# Altium PCB kunkun.PcbDoc (part 7 of 8)
Units mil, origin at the board's own origin, x right, y up, seen from the top; angles counter-clockwise.
Board outline 11417.32 x 6911.54 mil, 2 copper layers (Top Layer, Bottom Layer), stack 28 mil thick; 1172 components, 690 nets, 3402 pads, 1297 vias.
Unrouted connection lines stored in the file: 210.
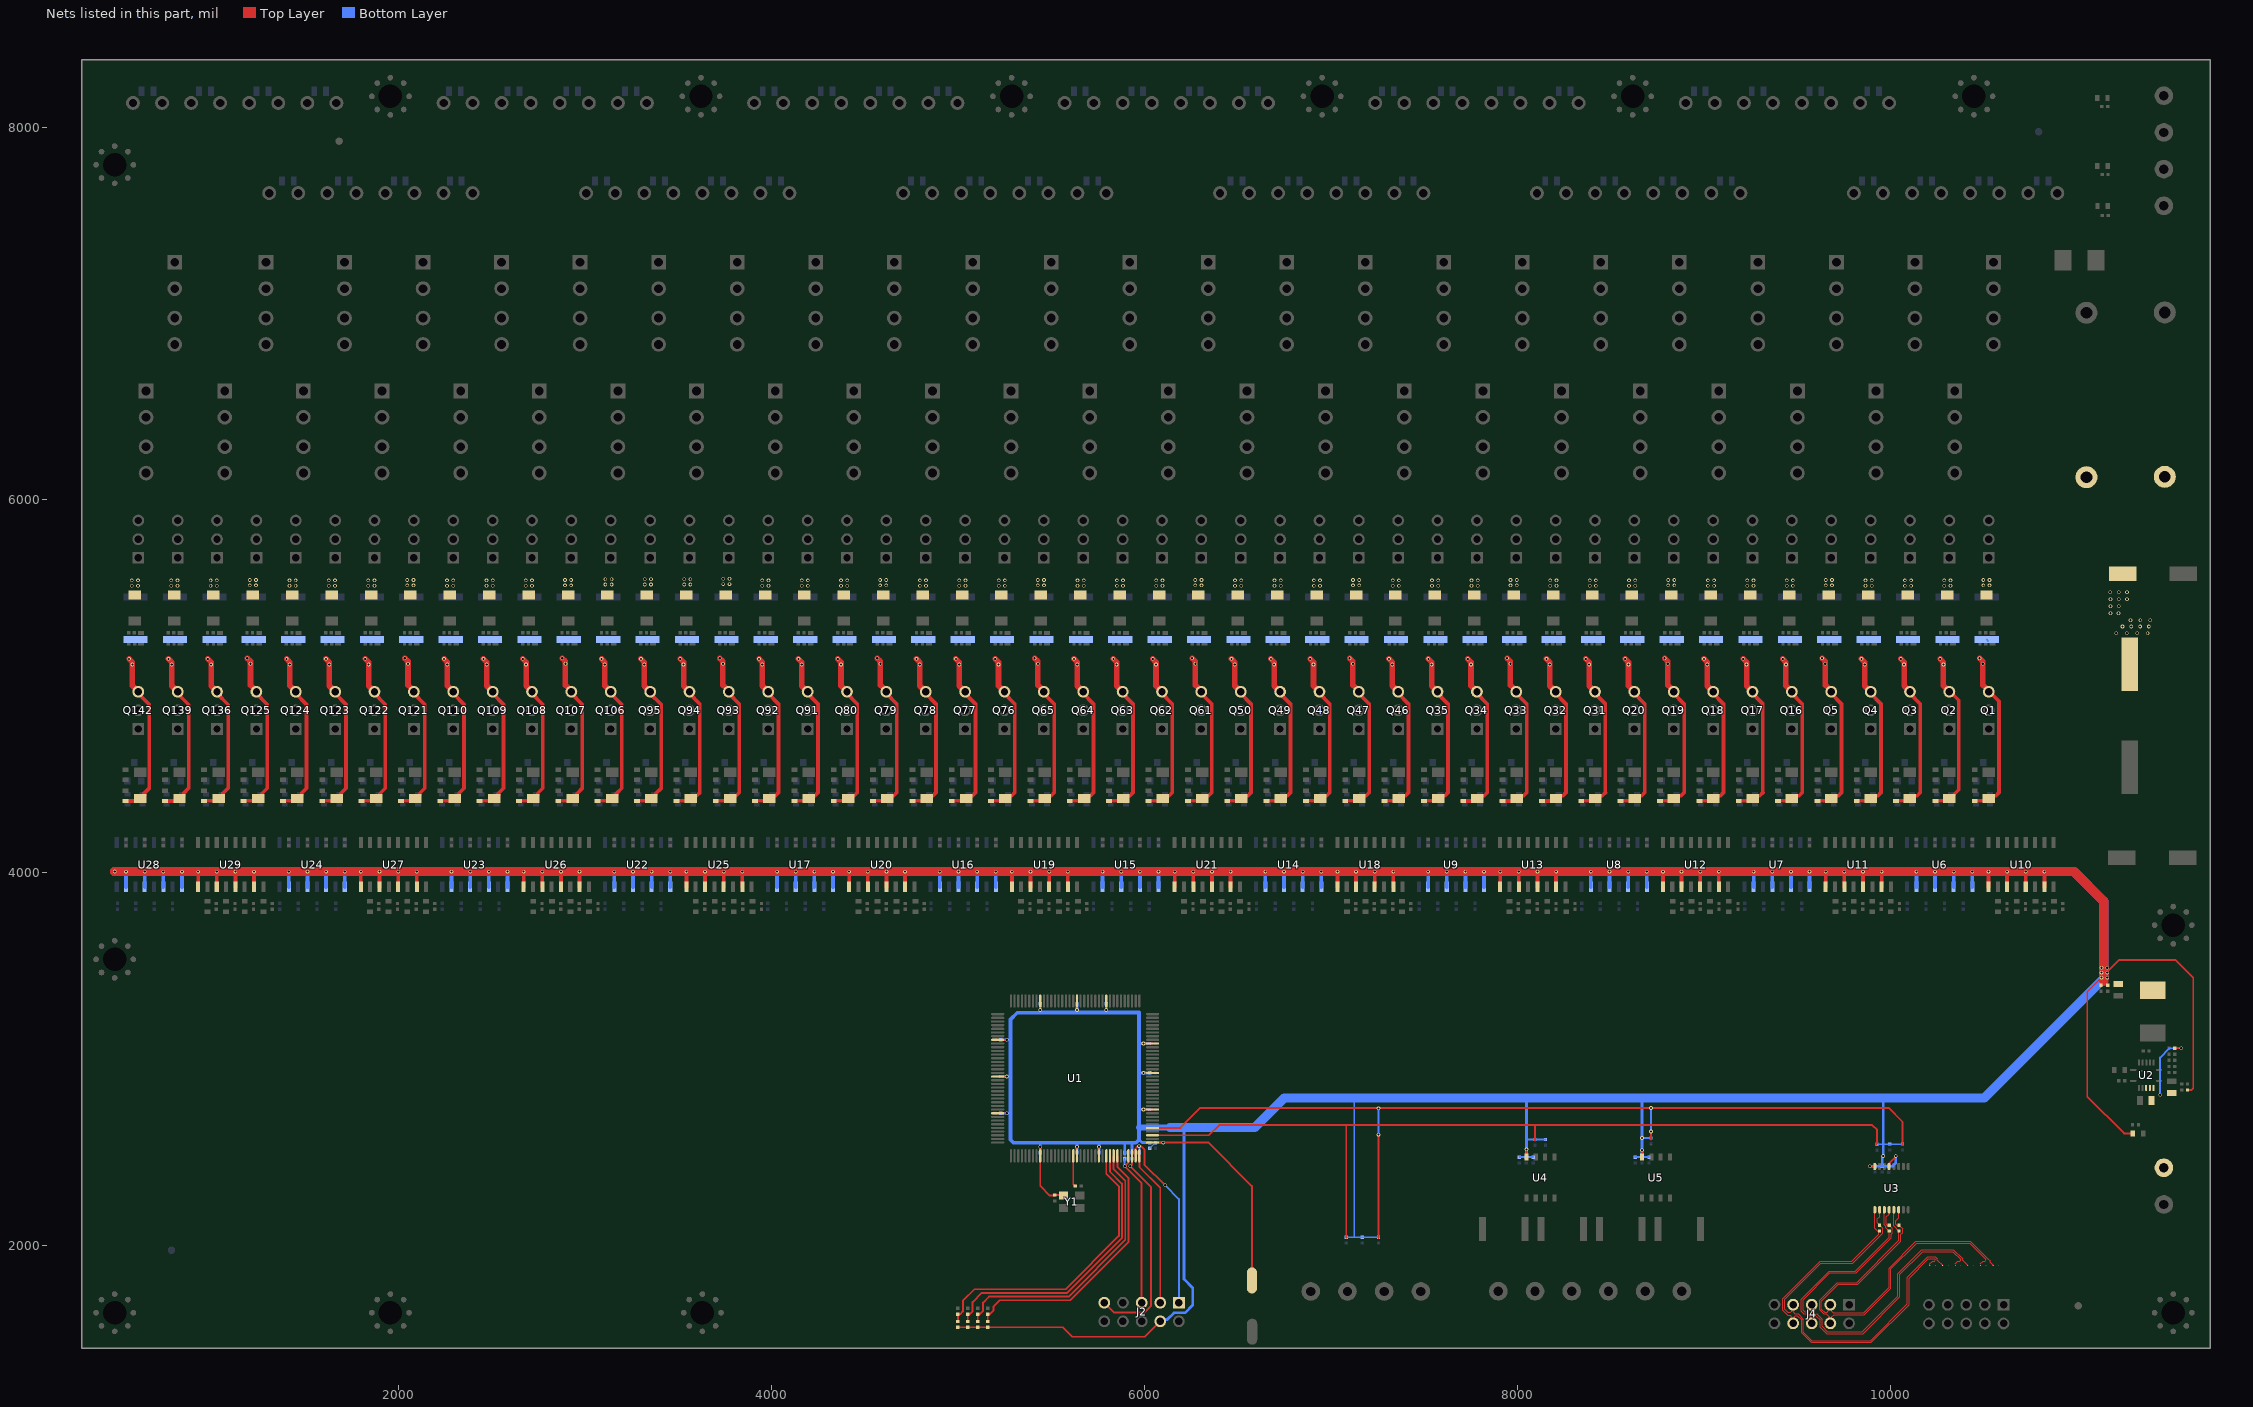
[diagram p7: the nets of this part, all layers, seen from the top]

## Via types
v1: diameter 19.68, hole 11.81, Top Layer to Bottom Layer, tented both sides, 1297 vias

## Nets (pads, with @x,y where several pads share a name; then routed paths per layer and width w, separated by ;. In a path a pad name is that pad's centre, name@x,y a point inside that pad or via, vN(x,y) a via of type N, cw(c..) or ccw(c..) an arc to the next point about the centre after c; other vN are vias at no path point) (continued)
PHIGH: C129.1 D53.1 D54.1 D55.1 D56.1 D57.1 D63.1 D64.1 D65.1 D66.1 D67.1 D73.1 D74.1 D75.1 D76.1 D77.1 D83.1 D84.1 D85.1 D86.1 D87.1 D93.1 D94.1 D95.1 D96.1 D97.1 D103.1 D104.1 D105.1 D106.1 D107.1 D113.1 D114.1 D115.1 D116.1 D117.1 D123.1 D124.1 D125.1 D126.1 D127.1 D133.1 D134.1 D135.1 D136.1 D137.1 D143.1 D145.1 D147.1 F1.2 Q1.3 Q2.3 Q3.3 Q4.3 Q5.3 Q16.3 Q17.3 Q18.3 Q19.3 Q20.3 Q31.3 Q32.3 Q33.3 Q34.3 Q35.3 Q46.3 Q47.3 Q48.3 Q49.3 Q50.3 Q61.3 Q62.3 Q63.3 Q64.3 Q65.3 Q76.3 Q77.3 Q78.3 Q79.3 Q80.3 Q91.3 Q92.3 Q93.3 Q94.3 Q95.3 Q106.3 Q107.3 Q108.3 Q109.3 Q110.3 Q121.3 Q122.3 Q123.3 Q124.3 Q125.3 Q136.3 Q139.3 Q142.3 R136.2 R137.2 R138.2 R139.2 R140.2 R141.2 R142.2 R143.2 R144.2 R145.2 R171.2 R172.2 R173.2 R174.2 R175.2 R176.2 R177.2 R178.2 R179.2 R180.2 R206.2 R207.2 R208.2 R209.2 R210.2 R211.2 R212.2 R213.2 R214.2 R215.2 R241.2 R242.2 R243.2 R244.2 R245.2 R246.2 R247.2 R248.2 R249.2 R250.2 R276.2 R277.2 R278.2 R279.2 R280.2 R281.2 R282.2 R283.2 R284.2 R285.2 R311.2 R312.2 R313.2 R314.2 R315.2 R316.2 R317.2 R318.2 R319.2 R320.2 R346.2 R347.2 R348.2 R349.2 R350.2 R351.2 R352.2 R353.2 R354.2 R355.2 R381.2 R382.2 R383.2 R384.2 R385.2 R386.2 R387.2 R388.2 R389.2 R390.2 R416.2 R417.2 R418.2 R419.2 R420.2 R421.2 R422.2 R423.2 R424.2 R425.2 R451.2 R452.2 R458.2 R459.2 R465.2 R466.2 | length 44170.4
  Top Layer w20: R465.2@535.09,4385.11 599.6,4385.11 D147.1@614.96,4400.47 ; Q142.3@603.84,4961.32 663.24,4901.93 663.24,4454.61 637.35,4428.72 637.35,4413.86 620.61,4397.11 D147.1@618.32,4397.11 ; R458.2@746.13,4385.11 810.54,4385.11 D145.1@824.79,4399.36 ; Q139.3@824.79,4967.48 823.93,4966.63 823.93,4952.4 874.49,4901.85 874.49,4454.69 848.29,4428.49 848.29,4413.86 831.55,4397.11 D145.1@829.49,4397.11 ; R451.2@957.16,4385.11 958.98,4386.92 1018.99,4386.92 D143.1@1031.43,4399.36 ; Q136.3@1026.18,4961.32 1086.19,4901.32 1086.19,4455.22 1059.24,4428.26 1059.24,4413.86 1042.49,4397.11 D143.1@1040.66,4397.11 ; R420.2@1168.2,4385.11 1170.01,4386.92 1230.03,4386.92 D137.1@1242.47,4399.36 ; D137.1@1232.71,4385.11 D137.1@1241.43,4385.11 ; Q125.3@1237.35,4961.32 1295.37,4903.31 1295.37,4453.22 1268.58,4426.43 1268.58,4413.86 D137.1@1251.83,4397.11 ; R419.2@1379.24,4385.11 1381.05,4386.92 1441.07,4386.92 D136.1@1453.51,4399.36 ; D136.1@1443.75,4385.11 D136.1@1452.37,4385.11 ; Q124.3@1448.52,4961.32 1506.54,4903.31 1506.54,4453.22 1479.75,4426.43 1479.75,4413.86 D136.1@1463,4397.11 ; Q124.3@1448.52,4971.57 Q124.3@1457.9,4971.57 ; R418.2@1590.28,4385.11 1592.09,4386.92 1652.1,4386.92 D135.1@1664.55,4399.36 ; D135.1@1654.79,4385.11 D135.1@1663.31,4385.11 ; Q123.3@1659.69,4961.32 1717.71,4903.31 1717.71,4453.22 1690.92,4426.43 1690.92,4413.86 D135.1@1674.17,4397.11 ; R417.2@1801.31,4385.11 1803.12,4386.92 1863.14,4386.92 D134.1@1875.58,4399.36 ; D134.1@1865.82,4385.11 D134.1@1874.25,4385.11 ; Q122.3@1870.86,4961.32 1928.88,4903.31 1928.88,4453.22 1902.09,4426.43 1902.09,4413.86 D134.1@1885.34,4397.11 ; Q122.3@1879.97,4966.63 Q122.3@1879.97,4971.57 ; R416.2@2012.35,4385.11 2014.16,4386.92 2074.18,4386.92 D133.1@2086.62,4399.36 ; Q121.3@2082.03,4961.32 2140.05,4903.31 2140.05,4453.22 2113.26,4426.43 2113.26,4413.86 D133.1@2096.51,4397.11 ; R385.2@2223.39,4385.11 2225.2,4386.92 2285.22,4386.92 D127.1@2297.66,4399.36 ; D127.1@2287.9,4385.11 D127.1@2296.13,4385.11 ; Q110.3@2293.2,4961.32 2351.22,4903.31 2351.22,4453.22 2324.43,4426.43 2324.43,4413.86 D127.1@2307.68,4397.11 ; R384.2@2434.42,4385.11 2436.24,4386.92 2496.25,4386.92 D126.1@2500.76,4391.42 ; Q109.3@2504.37,4961.32 2562.39,4903.31 2562.39,4453.22 2535.6,4426.43 2535.6,4413.86 D126.1@2518.85,4397.11 ; Q109.3@2513.08,4952.62 Q109.3@2513.08,4971.57 ; R383.2@2645.46,4385.11 2647.27,4386.92 D125.1@2707.29,4386.92 ; Q108.3@2715.54,4961.32 2773.56,4903.31 2773.56,4453.22 2746.77,4426.43 2746.77,4413.86 2730.02,4397.11 D125.1@2717.45,4397.11 ; R382.2@2856.5,4385.11 2858.31,4386.92 D124.1@2918.33,4386.92 ; D124.1@2916.75,4385.11 2922.85,4391.21 2928.75,4397.11 D124.1@2933.64,4397.11 ; Q107.3@2926.71,4961.32 2984.23,4903.81 2984.23,4452.72 2957.71,4426.2 2957.71,4413.86 2940.96,4397.11 D124.1@2928.62,4397.11 ; R381.2@3067.53,4385.11 3069.35,4386.92 3129.36,4386.92 D123.1@3133.73,4391.28 ; D123.1@3133.84,4391.17 3141.92,4399.24 3154.03,4399.24 3168.65,4413.86 3168.65,4425.98 3196.44,4453.76 3196.44,4902.77 Q106.3@3137.88,4961.32 ; R350.2@3278.57,4385.11 3280.38,4386.92 3340.4,4386.92 D117.1@3344.71,4391.23 ; D117.1@3344.9,4391.05 D117.1@3353.02,4399.18 ; Q95.3@3349.05,4961.32 3409.38,4901 3409.38,4455.14 3379.59,4425.35 3379.59,4413.86 3364.71,4398.98 D117.1@3353.22,4398.98 ; R349.2@3489.61,4385.11 3491.42,4386.92 3551.44,4386.92 D116.1@3563.88,4399.36 ; D116.1@3547.44,4386.92 D116.1@3559.88,4399.36 ; D116.1@3550.12,4385.11 3578.88,4413.86 3599.42,4413.86 3615.82,4430.26 ; D116.1@3550.39,4385.11 D116.1@3562.4,4397.11 ; D116.1@3554.12,4385.11 D116.1@3561.78,4385.11 ; Q94.3@3560.23,4961.32 3615.69,4905.86 3615.69,4430.26 ; R348.2@3700.65,4385.11 3702.46,4386.92 3762.47,4386.92 D115.1@3774.92,4399.36 ; D115.1@3758.61,4386.92 D115.1@3771.05,4399.36 ; D115.1@3761.29,4385.11 3790.05,4413.86 3810.59,4413.86 3826.99,4430.26 ; D115.1@3761.43,4385.11 3773.43,4397.11 D115.1@3778.32,4397.11 ; D115.1@3765.16,4385.11 D115.1@3772.72,4385.11 ; Q93.3@3771.4,4961.32 3826.86,4905.86 3826.86,4430.26 ; R347.2@3911.68,4385.11 3913.49,4386.92 3973.51,4386.92 D114.1@3985.95,4399.36 ; D114.1@3972.46,4385.11 4001.22,4413.86 4021.76,4413.86 4038.16,4430.26 ; Q92.3@3982.57,4961.32 4038.03,4905.86 4038.03,4430.26 ; R346.2@4122.72,4385.11 4124.53,4386.92 4184.55,4386.92 D113.1@4196.99,4399.36 ; D113.1@4183.63,4385.11 4212.39,4413.86 4232.93,4413.86 4249.33,4430.26 ; D113.1@4184.03,4385.11 D113.1@4212.79,4413.86 ; Q91.3@4193.74,4961.32 4249.2,4905.86 4249.2,4430.26 ; R315.2@4333.76,4385.11 4335.57,4386.92 4395.59,4386.92 D107.1@4408.03,4399.36 ; D107.1@4392.12,4386.92 D107.1@4404.56,4399.36 ; D107.1@4394.8,4385.11 4423.56,4413.86 4444.1,4413.86 4460.5,4430.26 ; D107.1@4395.07,4385.11 D107.1@4407.08,4397.11 ; D107.1@4398.27,4385.11 D107.1@4405.55,4385.11 ; Q80.3@4404.91,4961.32 4460.37,4905.86 4460.37,4430.26 ; R314.2@4544.79,4385.11 4546.6,4386.92 4606.62,4386.92 D106.1@4619.06,4399.36 ; D106.1@4603.29,4386.92 D106.1@4615.73,4399.36 ; D106.1@4605.97,4385.11 4634.73,4413.86 4655.27,4413.86 4671.67,4430.26 ; D106.1@4606.11,4385.11 4618.11,4397.11 D106.1@4623,4397.11 ; Q79.3@4616.08,4961.32 4671.54,4905.86 4671.54,4430.26 ; R313.2@4755.83,4385.11 4757.64,4386.92 D105.1@4817.66,4386.92 ; D105.1@4817.14,4385.11 4845.9,4413.86 4866.44,4413.86 4882.84,4430.26 ; D105.1@4820.34,4385.11 D105.1@4827.43,4385.11 ; Q78.3@4827.25,4961.32 4882.71,4905.86 4882.71,4430.26 ; Q78.3@4834.49,4967.86 Q78.3@4834.49,4971.57 ; R312.2@4966.87,4385.11 4968.68,4386.92 5028.7,4386.92 D104.1@5041.14,4399.36 ; D104.1@5028.31,4385.11 5057.07,4413.86 5077.61,4413.86 5094.01,4430.26 ; D104.1@5028.71,4385.11 D104.1@5057.47,4413.86 ; Q77.3@5038.42,4961.32 5093.88,4905.86 5093.88,4430.26 ; R311.2@5177.9,4385.11 5179.72,4386.92 5239.73,4386.92 D103.1@5252.17,4399.36 ; D103.1@5236.8,4386.92 D103.1@5249.24,4399.36 ; D103.1@5239.49,4385.11 5268.24,4413.86 5288.78,4413.86 5305.18,4430.26 ; D103.1@5239.75,4385.11 D103.1@5251.76,4397.11 ; Q76.3@5249.59,4961.32 5305.05,4905.86 5305.05,4430.26 ; R280.2@5388.94,4385.11 5390.75,4386.92 D97.1@5450.77,4386.92 ; D97.1@5447.97,4386.92 D97.1@5460.41,4399.36 ; D97.1@5450.66,4385.11 5479.41,4413.86 5499.95,4413.86 5516.35,4430.26 ; D97.1@5450.79,4385.11 5462.79,4397.11 D97.1@5467.68,4397.11 ; Q65.3@5460.76,4961.32 5516.22,4905.86 5516.22,4430.26 ; R279.2@5599.98,4385.11 5601.79,4386.92 5661.81,4386.92 D96.1@5674.25,4399.36 ; D96.1@5661.83,4385.11 5690.58,4413.86 5711.12,4413.86 5727.52,4430.26 ; Q64.3@5671.93,4961.32 5727.39,4905.86 5727.39,4430.26 ; R278.2@5811.02,4385.11 5812.83,4386.92 D95.1@5872.84,4386.92 ; D95.1@5873,4385.11 5901.75,4413.86 5922.29,4413.86 5938.7,4430.26 ; D95.1@5873.4,4385.11 D95.1@5902.15,4413.86 ; Q63.3@5883.1,4961.32 5938.56,4905.86 5938.56,4430.26 ; R277.2@6022.05,4385.11 6023.86,4386.92 6083.88,4386.92 D94.1@6096.32,4399.36 ; D94.1@6081.48,4386.92 D94.1@6093.92,4399.36 ; D94.1@6084.17,4385.11 6112.92,4413.86 6133.46,4413.86 6149.87,4430.26 ; D94.1@6084.43,4385.11 D94.1@6096.44,4397.11 ; Q62.3@6094.27,4961.32 6149.73,4905.86 6149.73,4430.26 ; R276.2@6233.09,4385.11 6234.9,4386.92 6294.92,4386.92 D93.1@6307.36,4399.36 ; D93.1@6292.65,4386.92 D93.1@6305.09,4399.36 ; D93.1@6295.34,4385.11 6324.09,4413.86 6344.63,4413.86 6361.04,4430.26 ; D93.1@6295.47,4385.11 6307.47,4397.11 D93.1@6312.36,4397.11 ; Q61.3@6305.44,4961.32 6360.9,4905.86 6360.9,4430.26 ; R245.2@6444.13,4385.11 6445.94,4386.92 D87.1@6505.96,4386.92 ; D87.1@6506.51,4385.11 6535.26,4413.86 6555.8,4413.86 6572.21,4430.26 ; Q50.3@6516.61,4961.32 6572.07,4905.86 6572.07,4430.26 ; R244.2@6655.16,4385.11 6656.98,4386.92 6716.99,4386.92 D86.1@6729.43,4399.36 ; D86.1@6717.68,4385.11 6746.43,4413.86 6766.97,4413.86 6783.38,4430.26 ; D86.1@6718.08,4385.11 D86.1@6746.83,4413.86 ; Q49.3@6727.78,4961.32 6783.24,4905.86 6783.24,4430.26 ; R243.2@6866.2,4385.11 6868.01,4386.92 6928.03,4386.92 D85.1@6940.47,4399.36 ; D85.1@6926.16,4386.92 D85.1@6938.61,4399.36 ; D85.1@6928.85,4385.11 6957.6,4413.86 6978.14,4413.86 6994.55,4430.26 ; D85.1@6929.11,4385.11 D85.1@6941.12,4397.11 ; Q48.3@6938.95,4961.32 6994.41,4905.86 6994.41,4430.26 ; R242.2@7077.24,4385.11 7079.05,4386.92 7139.07,4386.92 D84.1@7151.51,4399.36 ; D84.1@7137.33,4386.92 D84.1@7149.78,4399.36 ; D84.1@7140.02,4385.11 7168.77,4413.86 7189.31,4413.86 7205.72,4430.26 ; D84.1@7140.15,4385.11 7152.16,4397.11 D84.1@7157.04,4397.11 ; Q47.3@7150.12,4961.32 7205.58,4905.86 7205.58,4430.26 ; R241.2@7288.27,4385.11 7290.09,4386.92 D83.1@7350.1,4386.92 ; D83.1@7351.19,4385.11 7379.94,4413.86 7400.48,4413.86 7416.89,4430.26 ; Q46.3@7361.29,4961.32 7416.75,4905.86 7416.75,4430.26 ; R210.2@7499.31,4385.11 7501.12,4386.92 7561.14,4386.92 D77.1@7573.58,4399.36 ; D77.1@7562.36,4385.11 7591.11,4413.86 7611.65,4413.86 7628.06,4430.26 ; D77.1@7562.76,4385.11 D77.1@7591.51,4413.86 ; Q35.3@7572.46,4961.32 7627.92,4905.86 7627.92,4430.26 ; R209.2@7704.68,4385.11 R209.2@7710.35,4385.11 7771.61,4385.11 D76.1@7785.86,4399.36 ; D76.1@7770.85,4386.92 D76.1@7783.29,4399.36 ; D76.1@7773.53,4385.11 7802.28,4413.86 7822.82,4413.86 7839.23,4430.26 ; D76.1@7773.79,4385.11 D76.1@7785.8,4397.11 ; Q34.3@7783.63,4961.32 7839.09,4905.86 7839.09,4430.26 ; R208.2@7915.85,4385.11 R208.2@7921.39,4385.11 D75.1@7982.55,4385.11 ; D75.1@7982.02,4386.92 D75.1@7994.46,4399.36 ; D75.1@7984.7,4385.11 8013.45,4413.86 8034,4413.86 8050.4,4430.26 ; D75.1@7984.83,4385.11 7996.84,4397.11 D75.1@8001.73,4397.11 ; Q33.3@7994.8,4961.32 8050.26,4905.86 8050.26,4430.26 ; R207.2@8132.42,4385.11 D74.1@8196.93,4385.11 ; D74.1@8195.87,4385.11 8224.62,4413.86 8245.17,4413.86 8261.57,4430.26 ; Q32.3@8205.97,4961.32 8261.43,4905.86 8261.43,4430.26 ; R206.2@8343.46,4385.11 8345.27,4386.92 8405.29,4386.92 D73.1@8417.73,4399.36 ; D73.1@8407.04,4385.11 8435.79,4413.86 8456.34,4413.86 8472.74,4430.26 ; D73.1@8407.44,4385.11 D73.1@8436.19,4413.86 ; Q31.3@8417.14,4961.32 8472.6,4905.86 8472.6,4430.26 ; R175.2@8554.5,4385.11 8556.31,4386.92 8616.33,4386.92 D67.1@8628.77,4399.36 ; D67.1@8615.53,4386.92 D67.1@8627.97,4399.36 ; D67.1@8618.21,4385.11 8646.96,4413.86 8667.51,4413.86 8683.91,4430.26 ; D67.1@8618.47,4385.11 D67.1@8630.48,4397.11 ; Q20.3@8628.31,4961.32 8683.77,4905.86 8683.77,4430.26 ; R174.2@8765.53,4385.11 8767.34,4386.92 8827.36,4386.92 D66.1@8839.8,4399.36 ; D66.1@8826.7,4386.92 D66.1@8839.14,4399.36 ; D66.1@8829.38,4385.11 8858.13,4413.86 8878.68,4413.86 8895.08,4430.26 ; D66.1@8829.51,4385.11 8841.52,4397.11 D66.1@8846.41,4397.11 ; Q19.3@8839.48,4961.32 8894.94,4905.86 8894.94,4430.26 ; R173.2@8976.57,4385.11 8978.38,4386.92 9038.4,4386.92 D65.1@9050.84,4399.36 ; D65.1@9037.87,4386.92 D65.1@9050.31,4399.36 ; D65.1@9040.55,4385.11 9069.3,4413.86 9089.85,4413.86 9106.25,4430.26 ; Q18.3@9050.65,4961.32 9106.11,4905.86 9106.11,4430.26 ; R172.2@9187.61,4385.11 9189.42,4386.92 9249.44,4386.92 D64.1@9261.88,4399.36 ; D64.1@9249.04,4386.92 D64.1@9261.48,4399.36 ; D64.1@9251.72,4385.11 9280.47,4413.86 9301.02,4413.86 9317.42,4430.26 ; D64.1@9252.12,4385.11 D64.1@9280.87,4413.86 ; Q17.3@9261.82,4961.32 9317.29,4905.86 9317.29,4430.26 ; R171.2@9398.65,4385.11 9400.46,4386.92 D63.1@9460.47,4386.92 ; D63.1@9460.21,4386.92 D63.1@9472.65,4399.36 ; D63.1@9462.89,4385.11 9491.64,4413.86 9512.19,4413.86 9528.59,4430.26 ; D63.1@9463.16,4385.11 D63.1@9475.16,4397.11 ; Q16.3@9472.99,4961.32 9528.46,4905.86 9528.46,4430.26 ; R140.2@9609.68,4385.11 9611.49,4386.92 D57.1@9671.51,4386.92 ; D57.1@9671.38,4386.92 D57.1@9683.82,4399.36 ; D57.1@9674.06,4385.11 9702.81,4413.86 9723.36,4413.86 9739.76,4430.26 ; D57.1@9674.19,4385.11 9686.2,4397.11 D57.1@9691.09,4397.11 ; Q5.3@9684.16,4959.94 Q5.3@9684.16,4971.57 ; Q5.3@9684.16,4961.32 9739.63,4905.86 9739.63,4430.26 ; R139.2@9820.72,4385.11 9822.53,4386.92 9882.55,4386.92 D56.1@9894.99,4399.36 ; D56.1@9885.23,4385.11 9913.98,4413.86 9934.53,4413.86 9950.93,4430.26 ; Q4.3@9895.33,4961.32 9950.8,4905.86 9950.8,4430.26 ; R138.2@10031.76,4385.11 10033.57,4386.92 D55.1@10093.58,4386.92 ; D55.1@10096.27,4385.11 10125.02,4413.86 10145.56,4413.86 10161.97,4430.26 10161.97,4905.86 10106.5,4961.32 Q3.3@10106.5,4971.57 ; R137.2@10242.79,4385.11 10244.6,4386.92 10304.62,4386.92 D54.1@10317.06,4399.36 ; D54.1@10307.3,4385.11 10311.91,4385.11 10340.66,4413.86 10340.66,4418.46 10367.56,4445.36 10367.56,4925.46 Q2.3@10321.45,4971.57 ; R136.2@10453.83,4385.11 10455.64,4386.92 10515.66,4386.92 D53.1@10528.1,4399.36 ; D53.1@10530.35,4397.11 10547.09,4413.86 10567.64,4413.86 10584.04,4430.26 10584.04,4920.02 Q1.3@10532.49,4971.57
  Top Layer w30: v1(554.5,5147.49) 566.54,5135.45 ; 571.94,5130.4 v1(571.94,5117.76) 571.94,5003.48 Q142.3@603.84,4971.57 ; v1(765.67,5147.49) 777.71,5135.45 ; 783.11,5130.4 783.11,5003.48 Q139.3@815.01,4971.57 ; v1(976.84,5147.49) 988.88,5135.45 ; 994.28,5130.4 994.28,5003.48 Q136.3@1026.18,4971.57 ; v1(1188.01,5151.09) 1200.05,5139.05 1200.4,5139.05 1205.45,5134 1205.45,5007.08 1237.35,4975.17 Q125.3@1237.35,4971.57 ; v1(1399.18,5147.49) 1411.22,5135.45 ; 1416.62,5130.4 1416.62,5003.48 Q124.3@1448.52,4971.57 ; v1(1610.35,5147.49) 1622.39,5135.45 ; 1627.79,5130.4 1627.79,5003.48 Q123.3@1659.69,4971.57 ; v1(1821.52,5147.49) 1833.56,5135.45 ; 1838.96,5130.4 1838.96,5003.48 Q122.3@1870.86,4971.57 ; v1(2032.69,5151.09) 2044.73,5139.05 2045.08,5139.05 2050.13,5134 2050.13,5007.08 2082.03,4975.17 Q121.3@2082.03,4971.57 ; v1(2243.86,5147.49) 2255.9,5135.45 ; 2261.3,5130.4 2261.3,5003.48 Q110.3@2293.2,4971.57 ; v1(2455.03,5147.49) 2467.07,5135.45 ; 2472.47,5130.4 2472.47,5003.48 Q109.3@2504.37,4971.57 ; v1(2666.2,5147.49) 2678.24,5135.45 ; 2683.64,5130.4 2683.64,5003.48 Q108.3@2715.54,4971.57 ; v1(2877.37,5151.09) 2889.41,5139.05 2889.76,5139.05 2894.81,5134 2894.81,5007.08 2926.71,4975.17 Q107.3@2926.71,4971.57 ; v1(3088.54,5147.49) 3100.58,5135.45 ; 3105.98,5130.4 3105.98,5003.48 Q106.3@3137.88,4971.57 ; v1(3299.71,5147.49) 3311.75,5135.45 ; 3317.15,5130.4 3317.15,5003.48 Q95.3@3349.05,4971.57 ; v1(3510.88,5147.49) 3522.92,5135.45 ; 3528.32,5130.4 3528.32,5003.48 Q94.3@3560.23,4971.57 ; v1(3722.05,5151.09) 3734.09,5139.05 3734.44,5139.05 3739.49,5134 3739.49,5007.08 3771.4,4975.17 Q93.3@3771.4,4971.57 ; v1(3933.22,5147.49) 3945.26,5135.45 ; 3950.66,5130.4 3950.66,5003.48 Q92.3@3982.57,4971.57 ; v1(4144.39,5147.49) 4156.43,5135.45 ; 4161.83,5130.4 4161.83,5003.48 Q91.3@4193.74,4971.57 ; v1(4355.56,5147.49) 4367.6,5135.45 ; 4373,5130.4 4373,5003.48 Q80.3@4404.91,4971.57 ; v1(4566.73,5151.09) 4578.78,5139.05 4579.13,5139.05 4584.17,5134 4584.17,5007.08 4616.08,4975.17 Q79.3@4616.08,4971.57 ; v1(4777.9,5147.49) 4789.95,5135.45 ; 4795.34,5130.4 4795.34,5003.48 Q78.3@4827.25,4971.57 ; v1(4989.07,5147.49) 5001.12,5135.45 ; 5006.51,5130.4 5006.51,5003.48 Q77.3@5038.42,4971.57 ; v1(5200.24,5147.49) 5212.29,5135.45 ; 5217.68,5130.4 5217.68,5003.48 Q76.3@5249.59,4971.57 ; v1(5411.41,5151.09) 5423.46,5139.05 5423.81,5139.05 5428.85,5134 5428.85,5007.08 5460.76,4975.17 Q65.3@5460.76,4971.57 ; v1(5622.58,5147.49) 5634.63,5135.45 ; 5640.02,5130.4 5640.02,5003.48 Q64.3@5671.93,4971.57 ; v1(5833.75,5147.49) 5845.8,5135.45 ; 5851.19,5130.4 5851.19,5003.48 Q63.3@5883.1,4971.57 ; v1(6044.92,5147.49) 6056.97,5135.45 ; 6062.36,5130.4 6062.36,5003.48 Q62.3@6094.27,4971.57 ; v1(6256.09,5151.09) 6268.14,5139.05 6268.49,5139.05 6273.53,5134 6273.53,5007.08 6305.44,4975.17 Q61.3@6305.44,4971.57 ; v1(6467.26,5147.49) 6479.31,5135.45 ; 6484.7,5130.4 6484.7,5003.48 Q50.3@6516.61,4971.57 ; v1(6678.43,5147.49) 6690.48,5135.45 ; 6695.87,5130.4 6695.87,5003.48 Q49.3@6727.78,4971.57 ; v1(6889.6,5147.49) 6901.65,5135.45 ; 6907.04,5130.4 6907.04,5003.48 Q48.3@6938.95,4971.57 ; v1(7100.77,5151.09) 7112.82,5139.05 7113.17,5139.05 7118.21,5134 7118.21,5007.08 7150.12,4975.17 Q47.3@7150.12,4971.57 ; v1(7311.94,5147.49) 7323.99,5135.45 ; 7329.38,5130.4 7329.38,5003.48 Q46.3@7361.29,4971.57 ; v1(7523.11,5147.49) 7535.16,5135.45 ; 7540.55,5130.4 7540.55,5003.48 Q35.3@7572.46,4971.57 ; v1(7734.28,5147.49) 7746.33,5135.45 ; 7751.72,5130.4 7751.72,5003.48 Q34.3@7783.63,4971.57 ; v1(7945.45,5151.09) 7957.5,5139.05 7957.85,5139.05 7962.89,5134 7962.89,5007.08 7994.8,4975.17 Q33.3@7994.8,4971.57 ; v1(8156.62,5147.49) 8168.67,5135.45 ; 8174.06,5130.4 8174.06,5003.48 Q32.3@8205.97,4971.57 ; v1(8367.79,5147.49) 8379.84,5135.45 ; 8385.23,5130.4 8385.23,5003.48 Q31.3@8417.14,4971.57 ; v1(8578.96,5147.49) 8591.01,5135.45 ; 8596.4,5130.4 8596.4,5003.48 Q20.3@8628.31,4971.57 ; v1(8790.13,5151.09) 8802.18,5139.05 8802.53,5139.05 8807.57,5134 8807.57,5007.08 8839.48,4975.17 Q19.3@8839.48,4971.57 ; v1(9001.3,5147.49) 9013.35,5135.45 ; 9018.74,5130.4 9018.74,5003.48 Q18.3@9050.65,4971.57 ; v1(9212.47,5147.49) 9224.52,5135.45 ; 9229.91,5130.4 9229.91,5003.48 Q17.3@9261.82,4971.57 ; v1(9423.65,5147.49) 9435.69,5135.45 ; 9441.08,5130.4 9441.08,5003.48 Q16.3@9472.99,4971.57 ; v1(9634.82,5151.09) 9646.86,5139.05 9647.21,5139.05 9652.25,5134 9652.25,5007.08 9684.16,4975.17 Q5.3@9684.16,4971.57 ; v1(9845.99,5147.49) 9858.03,5135.45 ; 9863.42,5130.4 9863.42,5003.48 Q4.3@9895.33,4971.57 ; v1(10057.16,5147.49) 10069.2,5135.45 ; 10074.59,5130.4 10074.59,5003.48 Q3.3@10106.5,4971.57 ; v1(10268.33,5147.49) 10280.37,5135.45 ; 10285.76,5130.4 10285.76,5003.48 Q2.3@10317.67,4971.57 ; v1(10479.5,5151.09) 10491.54,5139.05 10491.89,5139.05 10496.94,5134 10496.94,5007.08 10528.84,4975.17 Q1.3@10528.84,4971.57